# Altium PCB EMDO601_Patch.PcbDoc (part 2 of 3) (continued)
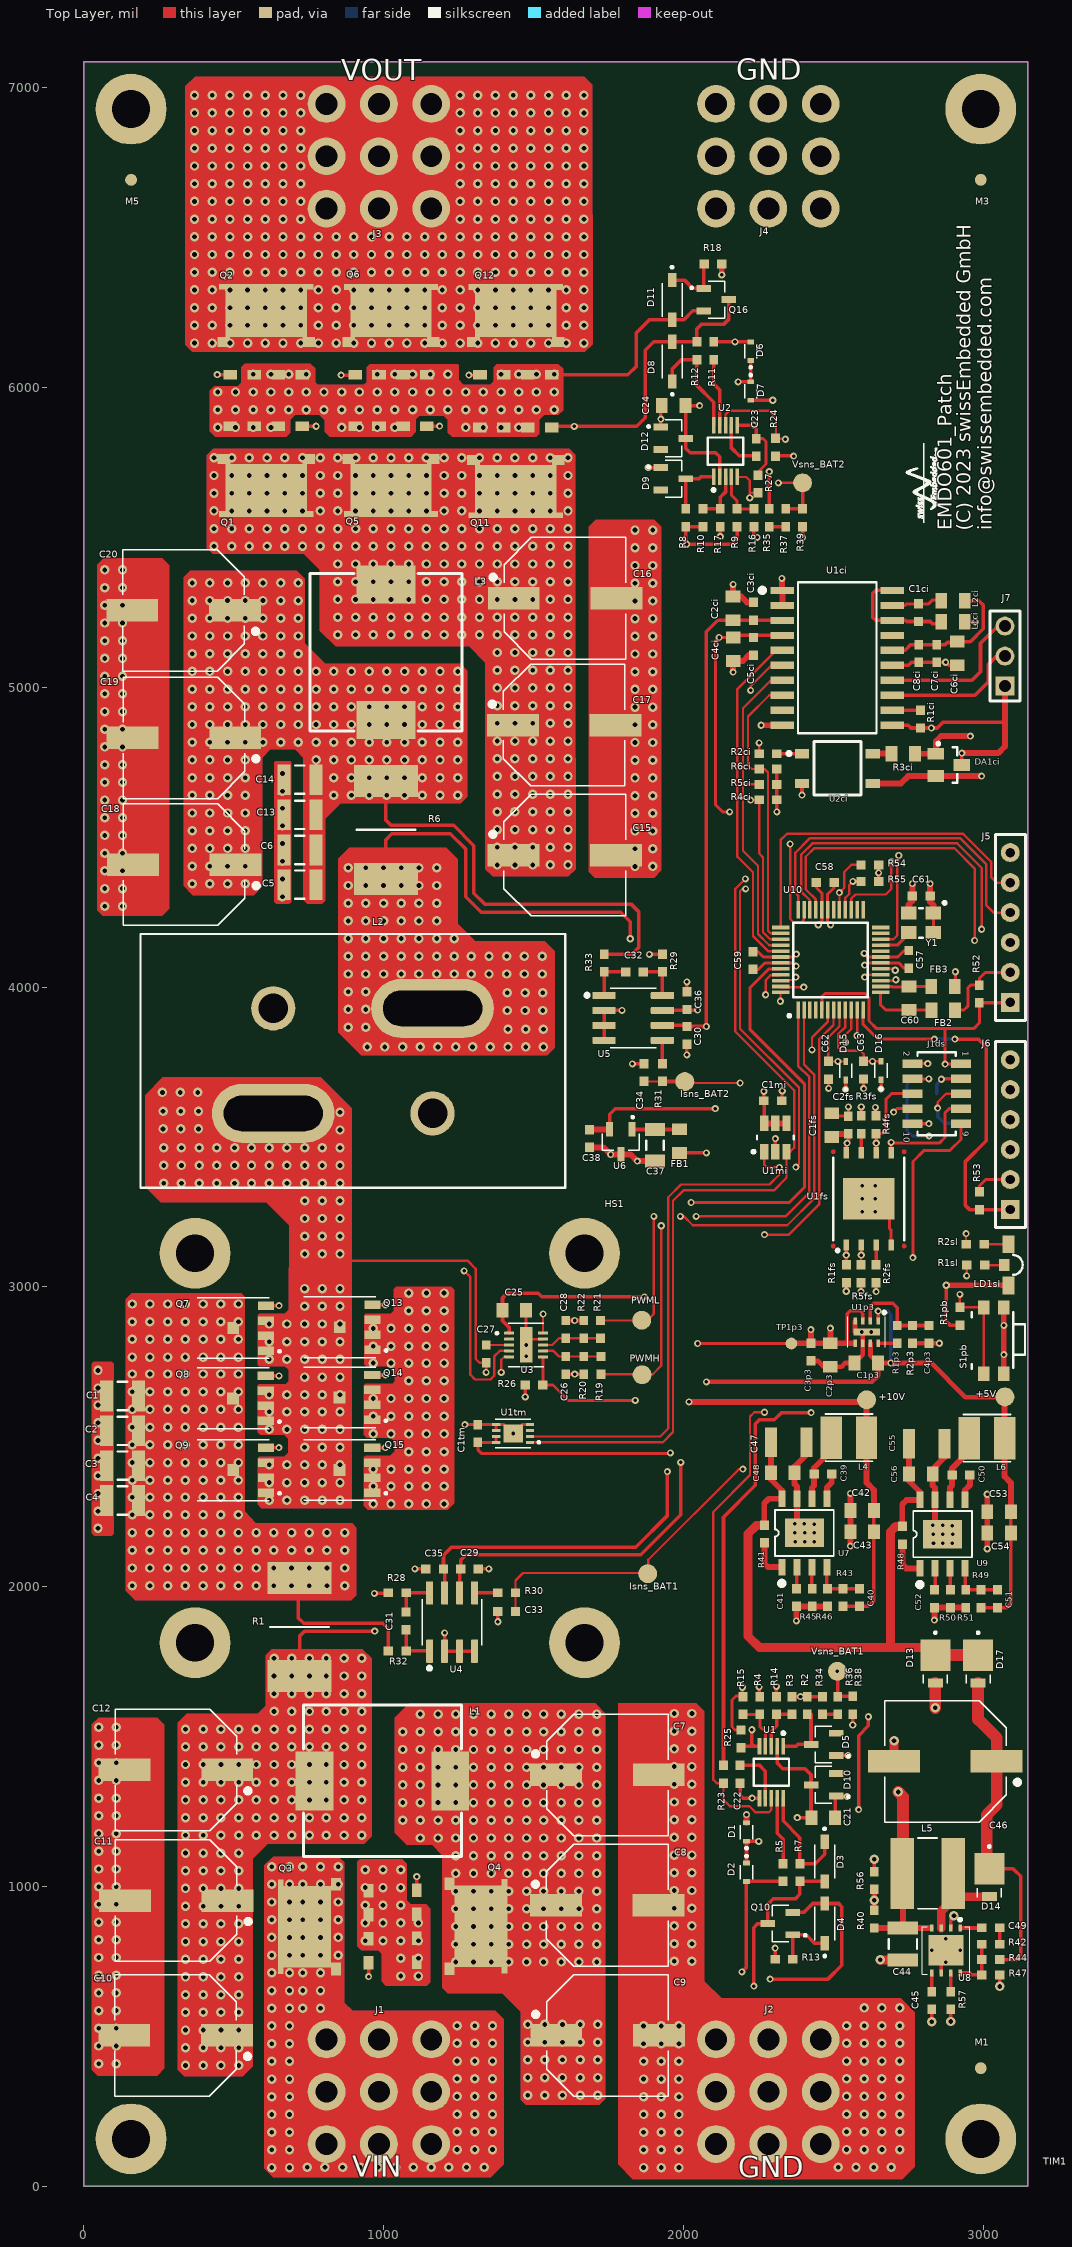
[diagram p0: Top Layer view]
## Nets (pads, with @x,y where several pads share a name; then routed paths per layer and width w, separated by ;. In a path a pad name is that pad's centre, name@x,y a point inside that pad or via, vN(x,y) a via of type N, cw(c..) or ccw(c..) an arc to the next point about the centre after c; other vN are vias at no path point) (continued)
  Top Layer w7.87: U10.38@2324.29,4179.13 2291.59,4179.13 2282.48,4188.24 2282.48,4476.38 2282.48,4715.55 2270.67,4727.36 R6ci.1@2252.95,4727.36 2228.35,4727.36 2215.55,4740.16 2215.55,4902.56 2286.61,4973.62 U1ci.8@2330.22,4973.62
CAN_TERM: R2ci.1 U10.35 | length 802.2
  Top Layer w7.87: R2ci.1@2252.95,4778.54 v2(2252.95,4814.96) ; v2(2356.3,4477.36) 2356.3,4227.36 2367.13,4216.54 2393.65,4216.54 2402.56,4225.44 U10.35@2402.56,4257.4
  Mid-Layer 2 w7.87: v2(2252.95,4814.96) 2252.95,4497.05 2272.64,4477.36 v2(2356.3,4477.36)
CAN_TX: R5ci.1 U1ci.7 U10.40 | length 1089.8
  Top Layer w7.87: 2197.83,4676.18 2198.82,4676.18 ; R5ci.1@2252.95,4676.18 2198.82,4676.18 ; U10.40@2324.29,4139.76 2286.42,4139.76 2249.02,4177.17 2249.02,4404.53 2198.82,4454.72 2198.82,4676.18 ; U1ci.7@2330.22,5023.62 2292.32,5023.62 2198.82,4930.12 2198.82,4676.18
CANH: DA1ci.1 J7.3 R3ci.2 U1ci.14 | length 1182.7
  Top Layer w11.81: U1ci.14@2696.36,5023.62 2962.6,5023.62 2991.14,5052.17 2991.14,5146.65 3048.82,5204.33 J7.3@3072.83,5204.33
  Top Layer w19.68: R3ci.2@2772.64,4778.54 DA1ci.1@2842.52,4778.54 2842.52,4820.87 2859.25,4837.6 v2(2957.68,4837.6)
  Mid-Layer 2 w19.68: v2(2957.68,4837.6) 2957.68,5135.83 3026.18,5204.33 J7.3@3072.83,5204.33
CANL: DA1ci.2 J7.2 U1ci.13 U2ci.3 | length 1291.6
  Top Layer w11.81: U1ci.13@2696.36,4973.62 2972.64,4973.62 3017.72,5018.7 3017.72,5076.77 3045.28,5104.33 J7.2@3072.83,5104.33
  Top Layer w19.68: U2ci.3@2631.89,4679.13 2725.39,4679.13 2750,4703.74 DA1ci.2@2842.52,4703.74 v2(2995.08,4703.74)
  Mid-Layer 2 w19.68: v2(2995.08,4703.74) 2995.08,5062.01 3037.4,5104.33 J7.2@3072.83,5104.33
GND: C1.2 C1fs.1 C1mi.1 C1p3.1 C1tm.1 C2.2 C2ci.1 C2fs.1 C2p3.1 C3.2 C3ci.1 C3p3.1 C4.2 C4ci.1 C4p3.1 C5.2 C5ci.1 C6.2 C7.2 C8.2 C9.2 C10.2 C11.2 C12.2 C13.2 C14.2 C15.2 C16.2 C17.2 C18.2 C19.2 C20.2 C21.1 C22.1 C23.1 C24.1 C25.1 C26.2 C28.2 C29.1 C30.1 C33.1 C34.1 C35.1 C36.1 C37.1 C38.1 C41.1 C42.1 C43.1 C44.1 C45.1 C46.2 C47.1 C48.1 C52.1 C53.1 C54.1 C55.1 C56.1 C57.1 C58.1 C59.1 C61.1 C62.1 C63.1 D5.1 D9.1 D10.1 D12.1 FB3.1 J1ds.3 J1ds.10 J2.1 J4.1 J5.3 J6.3 Q13.S Q14.S Q15.S R2p3.1 R4fs.1 R5fs.1 R13.1 R14.1 R15.1 R16.1 R17.1 R18.1 R20.1 R22.1 R25.1 R26.1 R27.1 R38.2 R39.2 R45.1 R46.1 R47.1 R50.1 R51.1 R56.1 R57.1 S1pb.2 S1pb.4 TP1ds.3 U1.6 U1ci.1 U1ci.2 U1ci.10 U1fs.0 U1fs.4 U1mi.2 U1p3.0 U1p3.4 U1p3.6 U1tm.0 U1tm.4 U1tm.5 U1tm.6 U2.6 U2ci.2 U3.9 U3.11 U4.2 U4.3 U4.4 U5.2 U5.3 U5.4 U6.3 U7.7 U7.9 U8.6 U8.9 U9.7 U9.9 U10.19 U10.31 U10.42 Y1.2 | length 6355.7
  Top Layer w7.87: v2(1475.39,2806.1) 1495.08,2825.79 U3.9@1531.89,2825.79
  Top Layer w10: v2(1270.91,2540.36) C1tm.1@1314.22,2540.36 U1tm.5@1375.44,2540.36 ; U1tm.6@1375.44,2520.67 U1tm.5@1375.44,2540.36 ; 1402.41,2540.36 U1tm.5@1375.44,2540.36 ; 1461.46,2540.36 U1tm.4@1488.43,2540.36 ; v2(1475.39,2806.1) C25.1@1475.39,2922.24 ; R25.1@2191.93,1521.65 2172.24,1521.65 2162.4,1531.5 2162.4,1622.05 2175.2,1634.84 R15.1@2196.85,1634.84 ; C59.1@2232.28,4118.11 2249.02,4118.11 2266.73,4100.39 U10.42@2324.29,4100.39 2367.13,4100.39 v2(2376.97,4110.24) ; C23.1@2243.11,5829.72 2247.05,5829.72 2265.75,5829.72 2275.59,5819.88 2275.59,5745.08 2249.02,5718.5 R27.1@2249.02,5707.68 ; C1mi.1@2327.85,3621.06 2329.72,3622.93 v2(2329.72,3653.54) ; v2(2484.25,3662.4) C62.1@2484.25,3692.91 ; v2(2491.14,4207.68) 2481.3,4217.52 U10.31@2481.3,4257.4 2481.3,4310.5 2502.95,4332.15 C58.1@2502.95,4346.46 ; C1fs.1@2495.08,3569.19 C2fs.1@2550.2,3569.19 v2(2550.2,3600.69) ; v2(2592.52,2984.25) 2592.52,3010.14 2590.55,3012.11 R5fs.1@2592.52,3014.08 ; v2(2601.44,3661.36) C63.1@2601.44,3693.41 ; v2(2603.35,4112.2) 2603.35,4109.25 2612.2,4100.39 U10.19@2657.99,4100.39 2715.55,4100.39 2737.2,4122.05 C57.1@2751.97,4122.05 ; v2(2640.75,3598.43) 2640.75,3572.15 R4fs.1@2642.72,3570.18 ; U1fs.0@2687.99,3232.58 2687.99,3194.19 2693.31,3188.88 U1fs.4@2693.31,3140.06 ; FB3.1@2905.51,4001.97 2907.48,4003.94 v2(2907.48,4051.18)
  Top Layer w11.81: v2(1104.33,2059.05) C35.1@1140.75,2059.05 ; v2(1203.35,1845.47) U4.2@1203.35,1784.65 U4.3@1253.35,1784.65 U4.4@1303.35,1784.65 ; C29.1@1315.94,2059.05 v2(1351.38,2059.05) ; v2(1380.91,1882.87) C33.1@1380.91,1917.32 ; v2(1472.44,2632.87) R26.1@1472.44,2672.24 ; C26.2@1607.68,2708.66 v2(1637.7,2708.66) R20.1@1667.72,2708.66 ; C28.2@1607.68,2887.8 R22.1@1667.72,2887.8 ; U5.4@1735.43,3822.05 U5.3@1735.43,3872.05 U5.2@1735.43,3922.05 v2(1795.28,3922.05) ; v2(1829.72,3744.09) 1867.72,3744.09 C34.1@1868.11,3744.49 ; v2(1882.87,5733.27) D9.1@1924.8,5733.27 ; D12.1@1924.8,5868.11 v2(1924.8,5894.69) 1924.8,5936.61 C24.1@1928.15,5939.96 ; v2(2011.81,3773.62) 2011.81,3807.48 2010.83,3808.46 C30.1@2011.81,3809.45 ; C36.1@2011.81,3984.25 v2(2011.81,4017.72) ; v2@2123.03,5499.02 R17.1@2123.03,5536.42 ; U2.6@2180.12,5875 v2(2234.25,5875) 2243.11,5866.14 2243.11,5833.66 2247.05,5829.72 C23.1@2251.97,5824.8 ; C22.1@2188.98,1344.49 2188.98,1304.13 2198.82,1294.29 v2(2229.33,1294.29) U1.6@2253.94,1294.29 ; R15.1@2196.85,1634.84 v2(2196.85,1664.37) ; R16.1@2235.24,5536.42 2235.24,5510.83 v2(2246.06,5500) ; R13.1@2306.1,756.89 v2(2306.1,794.29) ; U1mi.2@2306.79,3450.79 v2(2306.79,3494.68) ; v2(2310.04,1667.32) 2310.04,1633.86 R14.1@2311.02,1632.87 ; v2(2395.67,4640.75) U2ci.2@2395.67,4679.13 ; v2(2397.64,5500) R39.2@2397.64,5536.41 R39.2@2398.37,5535.69 ; C21.1@2505.91,1229.33 2505.91,1297.83 D10.1@2509.25,1301.18 2511.22,1299.21 v2(2546.26,1299.21) ; D5.1@2509.25,1436.02 2510.24,1437.01 v2(2549.21,1437.01) ; v2(2564.97,1538.38) R38.2@2564.97,1575.78 ; R56.1@2636.81,1049.21 v1(2636.81,1090.55) ; J1ds.10@2764.41,3544.44 v2(2819.13,3544.44) ; v1(2828.74,548.23) C45.1@2828.74,589.57 ; U8.6@2860.24,711.61 2860.24,770.67 U8.9@2875.98,786.42 ; v2@2864.6,3694.44 J1ds.3@2925.82,3694.44 ; v1(2891.73,549.21) R57.1@2891.73,589.57 ; v1(3055.12,666.34) R47.1@3055.12,704.72
  Top Layer w15.75: C3p3.1@2425.2,2752.95 2448.82,2752.95 2468.5,2733.27 C2p3.1@2490.16,2733.27 2527.56,2733.27 2540.35,2746.06 C1p3.1@2570.87,2746.06 2598.43,2773.62 U1p3.6@2598.43,2812.01 2598.43,2846.06 v2(2595.08,2849.41) 2572.83,2849.41 U1p3.4@2572.83,2886.81 ; R2p3.1@2764.76,2812.01 C4p3.1@2819.88,2812.01 v2(2854.33,2812.01)
  Top Layer w19.68: C38.1@1687.01,3465.55 1733.27,3465.55 v2(1757.28,3441.54) 1824.21,3441.54 v2(1846.46,3419.29) C37.1@1905.51,3419.29 ; v2(2127.95,6375.98) R18.1@2127.95,6412.4 ; v2(2165.85,5343.5) C2ci.1@2165.85,5302.85 2193.21,5302.85 2212.89,5283.17 C3ci.1@2233.76,5283.17 ; v2(2166.09,5050.94) C4ci.1@2166.09,5087.6 2198.82,5087.6 2218.5,5107.28 C5ci.1@2234.01,5107.28 ; v2(2259.45,4873.62) U1ci.10@2330.22,4873.62 ; v2(2328.74,5363.19) 2328.74,5325.1 U1ci.1@2330.22,5323.62 U1ci.2@2330.22,5273.62 ; v2(2376.8,1886) C41.1@2376.8,1933.92 2376.93,1934.06 R46.1@2481.3,1934.06 ; U7.9@2403.96,2179 2378.96,2204 U7.7@2378.96,2293.17 2378.96,2334.62 2371.06,2342.52 C48.1@2371.06,2379.92 2371.06,2400.59 2410.43,2439.96 C47.1@2410.43,2482.28 ; v2(2557.09,2134.84) C43.1@2557.09,2183.07 C42.1@2557.09,2253.94 v2(2557.09,2311.02) ; Y1.2@2751.46,4246.75 2751.46,4274.88 2763.98,4287.4 C61.1@2763.98,4304.13 v2(2763.98,4345.47) ; v2(2837.43,1887.97) C52.1@2837.43,1929.99 2837.56,1930.12 R51.1@2941.93,1930.12 ; U9.9@2864.59,2175.06 2839.59,2200.06 U9.7@2839.59,2289.24 2839.59,2329.7 2831.69,2337.6 C56.1@2831.69,2375.98 2831.69,2391.73 2871.06,2431.1 C55.1@2871.06,2476.38 ; v2(3013.78,2125.98) C54.1@3013.78,2179.13 C53.1@3013.78,2250 v2(3013.78,2308.07) ; S1pb.4@3068.9,2710.14 v2(3068.9,2774.27) v2(3068.9,2871.71) S1pb.2@3068.9,2930.61
  Top Layer w29.53: v1(2656.5,754.92) C44.1@2732.28,754.92 ; C46.2@2702.76,1417.32 v1(2702.76,1486.22)
  Bottom Layer w11.81: TP1ds.3@2845.11,3644.44 2845.11,3676.92 v2(2860.86,3692.67)
  other v1: 1867.13,62.01 1926.18,62.01 1985.24,62.01 2516.73,62.99 2575.79,62.99 2634.84,62.99 2693.9,62.99 1867.13,121.06 1926.18,121.06 1985.24,121.06 2544.29,122.05 2603.35,122.05 2662.4,122.05 2721.46,122.05 1867.13,180.12 1926.18,180.12 1985.24,180.12 2544.29,181.1 2603.35,181.1 2662.4,181.1 2721.46,181.1 1867.13,239.17 1926.18,239.17 1985.24,239.17 2544.29,240.16 2603.35,240.16 2662.4,240.16 2721.46,240.16 1867.13,298.23 1926.18,298.23 1985.24,298.23 2544.29,299.21 2603.35,299.21 2662.4,299.21 2721.46,299.21 1867.13,357.28 1926.18,357.28 1985.24,357.28 2544.29,358.27 2603.35,358.27 2662.4,358.27 2721.46,358.27 49.21,408.47 108.27,408.47 1867.13,416.34 1926.18,416.34 1985.24,416.34 2544.29,417.32 2603.35,417.32 2662.4,417.32 2721.46,417.32 49.21,467.52 108.27,467.52 1867.13,475.39 1926.18,475.39 1985.24,475.39 2544.29,476.38 2603.35,476.38 2662.4,476.38 2721.46,476.38 49.21,526.58 108.27,526.58 1867.13,534.45 1926.18,534.45 1985.24,534.45 2544.29,535.43 2603.35,535.43 2662.4,535.43 2721.46,535.43 49.21,585.63 108.27,585.63 2603.35,594.49 2662.4,594.49 2721.46,594.49 49.21,644.69 108.27,644.69 49.21,703.74 108.27,703.74 1969.49,750 2028.54,750 49.21,762.8 108.27,762.8 1969.49,809.06 2028.54,809.06 49.21,821.85 108.27,821.85 1969.49,868.11 2028.54,868.11 49.21,880.91 108.27,880.91 1969.49,927.17 2028.54,927.17 49.21,939.96 108.27,939.96 1969.49,986.22 2028.54,986.22 49.21,999.02 108.27,999.02 1969.49,1045.28 2028.54,1045.28 49.21,1058.07 108.27,1058.07 1969.49,1104.33 2028.54,1104.33 49.21,1117.13 108.27,1117.13 1969.49,1163.39 2028.54,1163.39 49.21,1176.18 108.27,1176.18 1969.49,1222.44 2028.54,1222.44 49.21,1235.24 108.27,1235.24 1969.49,1281.5 2028.54,1281.5 49.21,1294.29 108.27,1294.29 1969.49,1340.55 2028.54,1340.55 49.21,1353.35 108.27,1353.35 1969.49,1399.61 2028.54,1399.61 49.21,1412.4 108.27,1412.4 1969.49,1458.66 2028.54,1458.66 49.21,1471.46 108.27,1471.46 1969.49,1517.72 2028.54,1517.72 49.21,1530.51 108.27,1530.51 1969.49,1576.77 2028.54,1576.77 47.24,2194.88 47.25,2251.39 965.54,2275.76 1024.59,2275.76 1083.65,2275.76 1142.71,2275.76 1201.76,2275.76 47.25,2310.45 965.54,2334.81 1024.59,2334.81 1083.65,2334.81 1142.71,2334.81 1201.76,2334.81 47.25,2369.5 965.55,2391.32 1024.6,2391.32 1083.66,2391.32 1142.71,2391.32 1201.77,2391.32 47.25,2428.56 1083.66,2450.38 1142.71,2450.38 1201.77,2450.38 47.25,2487.61 965.55,2509.43 1024.6,2509.43 1083.66,2509.43 1142.71,2509.43 1201.77,2509.43 47.25,2546.67 965.55,2568.49 1024.6,2568.49 1083.66,2568.49 1142.71,2568.49 1201.77,2568.49 47.25,2605.72 965.55,2627.54 1024.6,2627.54 1083.66,2627.54 1142.71,2627.54 1201.77,2627.54 47.26,2662.23 1083.66,2686.6 1142.71,2686.6 1201.77,2686.6 47.26,2721.29 965.55,2745.65 1024.6,2745.65 1083.66,2745.65 1142.71,2745.65 1201.77,2745.65 965.55,2802.17 1024.61,2802.17 1083.66,2802.17 1142.72,2802.17 1201.77,2802.17 965.55,2861.22 1024.61,2861.22 1083.66,2861.22 1142.72,2861.22 1201.77,2861.22 1083.66,2920.28 1142.72,2920.28 1201.77,2920.28 1083.66,2979.33 1142.72,2979.33 1201.77,2979.33 69.88,4269.69 128.94,4269.69 662.41,4301.59 69.88,4328.74 128.94,4328.74 662.41,4360.64 69.88,4387.8 128.94,4387.8 1838.58,4402.56 1897.64,4402.56 662.41,4419.7 69.88,4446.85 128.94,4446.85 1838.58,4461.61 1897.64,4461.61 662.41,4478.76 69.88,4505.91 128.94,4505.91 1838.58,4520.67 1897.64,4520.67 662.41,4537.81 69.88,4564.96 128.94,4564.96 1838.58,4579.72 1897.64,4579.72 662.41,4596.87 69.88,4624.02 128.94,4624.02 1838.58,4638.78 1897.64,4638.78 662.41,4653.38 69.88,4683.07 128.94,4683.07 1838.58,4697.83 1897.64,4697.83 662.41,4712.43 69.88,4742.13 128.94,4742.13 1838.58,4756.89 1897.64,4756.89 69.88,4801.18 128.94,4801.18 1838.58,4815.95 1897.64,4815.95 69.88,4860.24 128.94,4860.24 1838.58,4875 1897.64,4875 69.88,4919.29 128.94,4919.29 1838.58,4934.06 1897.64,4934.06 69.88,4978.35 128.94,4978.35 1838.58,4993.11 1897.64,4993.11 69.88,5037.4 128.94,5037.4 1838.58,5052.17 1897.64,5052.17 69.88,5096.46 128.94,5096.46 1838.58,5111.22 1897.64,5111.22 69.88,5155.51 128.94,5155.51 1838.58,5170.28 1897.64,5170.28 69.88,5214.57 128.94,5214.57 1838.58,5229.33 1897.64,5229.33 69.88,5273.62 128.94,5273.62 1838.58,5288.39 1897.64,5288.39 69.88,5332.68 128.94,5332.68 1838.58,5347.44 1897.64,5347.44 69.88,5391.73 128.94,5391.73 1838.58,5406.5 1897.64,5406.5 1838.58,5465.55 1897.64,5465.55 1838.58,5524.61 1897.64,5524.61
  other v2: 2834.47,2144.55 2865.97,2144.55 2897.5,2145.1 2372.86,2149.47 2404.35,2149.47 2435.89,2150.03 2833.49,2174.08 2865.97,2174.08 2898.45,2175.06 2371.87,2179 2404.35,2179 2436.83,2179.99 2897.47,2203.61 2832.5,2204.59 2864.98,2204.59 2435.85,2208.53 2370.89,2209.51 2403.37,2209.51 1431.94,2510.83 1475.39,2768.7 2627.36,2849.41 1637.45,2887.8 2596.65,3250.3 2639.96,3250.3 2596.65,3293.6 2639.96,3293.6 2596.65,3336.91 2639.96,3336.91 2123.03,5502.95
GND_CAN: C6ci.1 C7ci.1 C8ci.1 DA1ci.3 J7.1 L1ci.2 R1ci.1 U1ci.11 U1ci.15 | length 1507.5
  Top Layer w11.81: U1ci.11@2696.36,4873.62 2750.1,4873.62 2759.35,4864.37 R1ci.1@2790.85,4864.37 v2(2827.56,4864.37) 2846.65,4864.37 2866.14,4883.86 3072.83,4883.86 ; U1ci.15@2696.36,5073.62 2750.79,5073.62 2760.83,5083.66 C8ci.1@2785.43,5083.66 C7ci.1@2845.47,5083.66 v2(2875,5083.66) 2884.84,5073.82 C6ci.1@2913.39,5073.82 ; DA1ci.3@2929.13,4741.14 v2(2929.13,4780.51) ; L1ci.2@2938.98,5218.5 v2(2974.41,5218.5)
  Top Layer w19.68: v2(2929.13,4780.51) 3050.2,4780.51 3072.83,4803.15 3072.83,4883.86 J7.1@3072.83,5004.33
  Mid-Layer 2 w11.81: v2(2827.56,4864.37) 2846.65,4864.37 2875,4892.72 v2(2875,5083.66) 2875,5185.04 2908.46,5218.5 v2(2974.41,5218.5)
I2C_SCL: R54.1 U1mi.1 U1tm.2 U10.29 | length 3370.9
  Top Layer w7.87: U1tm.2@1488.43,2500.99 1922.95,2500.99 1949.8,2527.84 1949.8,3299.21 1992.13,3341.54 2287.4,3341.54 2319.98,3374.11 v2(2319.98,3398.62) 2278.64,3398.62 2269.39,3407.87 U1mi.1@2269.39,3450.79 ; v2(2207.78,4327.97) 2198.61,4327.97 2197.83,4328.74 2188.98,4319.88 2188.98,3861.22 2385.53,3664.67 2385.53,3409.84 v2(2375.3,3399.61) ; U10.29@2520.67,4257.4 v2(2520.67,4314.96) 2536.42,4330.71 2536.42,4383.86 2560.28,4407.72 R54.1@2592.52,4407.72
  Mid-Layer 2 w7.87: v2(2207.78,4327.97) 2207.78,4329.83 2212.6,4334.65 2500.98,4334.65 v2(2520.67,4314.96) ; v2@2323.92,3399.61 v2(2375.3,3399.61)
I2C_SDA: R55.1 U1mi.3 U1tm.1 U10.28 | length 3278.2
  Top Layer w7.87: U1tm.1@1488.43,2481.3 1931.11,2481.3 1965.55,2515.75 1965.55,3287.12 2000.28,3321.85 2302.17,3321.85 2344.19,3363.88 U1mi.3@2344.19,3450.79 2356,3450.79 2369.78,3464.57 2369.78,3655.36 2173.23,3851.91 2173.23,4327.76 2189.64,4344.17 v2(2206.69,4361.22) ; U10.28@2540.35,4257.4 2540.35,4297.86 2553.15,4310.66 2553.15,4340.55 v2(2565.2,4352.61) R55.1@2592.52,4352.61
  Mid-Layer 2 w7.87: v2(2206.69,4361.22) 2215.31,4352.61 v2(2565.2,4352.61)
Isns_BAT1: C33.2 Isns_BAT1.1 R30.2 U10.10 | length 2907.1
  Top Layer w7.87: C33.2@1439.96,1917.32 R30.2@1439.96,1979.33 1439.96,2020.67 1464.57,2045.28 Isns_BAT1.1@1882.87,2045.28 ; v2(2198.82,2391.73) 2185.04,2391.73 1882.87,2089.57 1882.87,2049.21 Isns_BAT1.1@1888.78,2043.31 ; v2(2540.35,3815.94) 2542.32,3817.91 2542.32,3842.52 2560.04,3860.24 U10.10@2560.04,3923.7 ; Isns_BAT1.1@1882.87,2045.28 Isns_BAT1.1@1884.84,2043.31 ; Isns_BAT1.1@1882.87,2045.28 Isns_BAT1.1@1880.91,2043.31 Isns_BAT1.1@1884.84,2043.31 ; Isns_BAT1.1@1884.84,2043.31 Isns_BAT1.1@1888.78,2043.31 ; Isns_BAT1.1@1884.84,2043.31 1886.81,2041.34 Isns_BAT1.1@1888.78,2043.31
  Mid-Layer 2 w7.87: v2(2198.82,2391.73) 2198.82,2593.5 2212.71,2607.39 2212.71,3709.77 ; 2212.6,3709.87 2212.6,3761.81 2264.76,3813.98 2538.39,3813.98 v2(2540.35,3815.94)
Isns_BAT1_N: C1.1 C2.1 C3.1 C4.1 Q7.D Q8.D Q9.D R1.2 R32.1 | length 517.5
  Top Layer w11.81: R1.2@714.57,2023.62 714.57,1896.65 733.27,1877.95 997.05,1877.95 1015.75,1859.25 R32.1@1015.75,1785.43
  other v1: 161.41,2003.12 220.46,2003.12 279.52,2003.12 338.57,2003.12 397.63,2003.12 456.68,2003.12 515.74,2003.12 574.79,2003.12 633.85,2003.12 692.9,2003.12 751.96,2003.12 811.01,2003.12 870.07,2003.12 161.41,2062.17 220.46,2062.17 279.52,2062.17 338.57,2062.17 397.63,2062.17 456.68,2062.17 515.74,2062.17 574.79,2062.17 633.85,2062.17 692.9,2062.17 751.96,2062.17 811.01,2062.17 870.07,2062.17 161.41,2121.23 220.46,2121.23 279.52,2121.23 338.57,2121.23 397.63,2121.23 456.68,2121.23 515.74,2121.23 574.79,2121.23 633.85,2121.23 692.9,2121.23 751.96,2121.23 811.01,2121.23 870.07,2121.23 161.41,2180.29 220.46,2180.29 279.52,2180.29 338.57,2180.29 397.63,2180.29 456.68,2180.29 515.74,2180.29 574.79,2180.29 633.85,2180.29 692.9,2180.29 751.96,2180.29 811.01,2180.29 870.07,2180.29 161.41,2239.34 220.46,2239.34 279.52,2239.34 338.57,2239.34 397.63,2239.34 456.68,2239.34 515.74,2239.34 161.41,2298.4 220.46,2298.4 279.52,2298.4 338.57,2298.4 397.63,2298.4 456.68,2298.4 515.74,2298.4 161.41,2354.91 220.47,2354.91 279.52,2354.91 338.58,2354.91 397.63,2354.91 456.69,2354.91 515.74,2354.91 161.41,2413.96 220.47,2413.96 279.52,2413.96 338.58,2413.96 397.63,2413.96 456.69,2413.96 515.74,2413.96 161.41,2473.02 220.47,2473.02 279.52,2473.02 338.58,2473.02 397.63,2473.02 456.69,2473.02 515.74,2473.02 161.41,2532.07 220.47,2532.07 279.52,2532.07 338.58,2532.07 397.63,2532.07 456.69,2532.07 515.74,2532.07 161.41,2591.13 220.47,2591.13 279.52,2591.13 338.58,2591.13 397.63,2591.13 456.69,2591.13 515.74,2591.13 161.41,2650.18 220.47,2650.18 279.52,2650.18 338.58,2650.18 397.63,2650.18 456.69,2650.18 515.74,2650.18 161.41,2709.24 220.47,2709.24 279.52,2709.24 338.58,2709.24 397.63,2709.24 456.69,2709.24 515.74,2709.24 161.42,2765.75 220.47,2765.75 279.53,2765.75 338.58,2765.75 397.64,2765.75 456.69,2765.75 515.75,2765.75 161.42,2824.8 220.47,2824.8 279.53,2824.8 338.58,2824.8 397.64,2824.8 456.69,2824.8 515.75,2824.8 161.42,2883.86 220.47,2883.86 279.53,2883.86 338.58,2883.86 397.64,2883.86 456.69,2883.86 515.75,2883.86 161.42,2942.91 220.47,2942.91 279.53,2942.91 338.58,2942.91 397.64,2942.91 456.69,2942.91 515.75,2942.91
Isns_BAT1_P: C10.1 C11.1 C12.1 L1.2 R1.1 R28.1 | length 560.3
  Top Layer w11.81: R1.1@719.49,1701.77 719.49,1834.65 736.22,1851.38 v2@966.54,1851.38 ; v2(969.49,1977.36) 1013.78,1977.36 R28.1@1015.75,1979.33
  Mid-Layer 2 w11.81: v2(969.49,1977.36) 970.47,1976.38 v2(970.47,1851.38)
  other v1: 339.16,402.57 398.21,402.57 457.27,402.57 516.32,402.57 339.16,461.62 398.21,461.62 457.27,461.62 516.32,461.62 339.16,520.68 398.21,520.68 457.27,520.68 516.32,520.68 339.16,579.73 398.21,579.73 457.27,579.73 516.32,579.73 339.16,638.79 398.21,638.79 457.27,638.79 516.32,638.79 339.16,697.84 398.21,697.84 457.27,697.84 516.32,697.84 339.16,756.9 398.21,756.9 457.27,756.9 516.32,756.9 339.16,815.95 398.21,815.95 457.27,815.95 516.32,815.95 339.16,875.01 398.21,875.01 457.27,875.01 516.32,875.01 339.16,934.06 398.21,934.06 457.27,934.06 516.32,934.06 339.16,993.12 398.21,993.12 457.27,993.12 516.32,993.12 339.16,1052.17 398.21,1052.17 457.27,1052.17 516.32,1052.17 339.16,1111.23 398.21,1111.23 457.27,1111.23 516.32,1111.23 339.16,1170.28 398.21,1170.28 457.27,1170.28 516.32,1170.28 575.38,1170.28 634.43,1170.28 693.49,1170.28 752.54,1170.28 809.06,1170.28 868.11,1170.28 927.17,1170.28 339.16,1229.34 398.21,1229.34 457.27,1229.34 516.32,1229.34 575.38,1229.34 634.43,1229.34 693.49,1229.34 752.54,1229.34 809.06,1229.33 868.11,1229.33 927.17,1229.33 339.16,1288.39 398.21,1288.39 457.27,1288.39 516.32,1288.39 575.38,1288.39 634.43,1288.39 693.49,1288.39 752.54,1288.39 809.06,1288.39 868.11,1288.39 927.17,1288.39 339.16,1347.45 398.21,1347.45 457.27,1347.45 516.32,1347.45 575.38,1347.45 634.43,1347.45 693.49,1347.45 752.54,1347.45 809.06,1347.44 868.11,1347.44 927.17,1347.44 339.16,1406.5 398.21,1406.5 457.27,1406.5 516.32,1406.5 575.38,1406.5 634.43,1406.5 693.49,1406.5 752.54,1406.5 809.06,1406.5 868.11,1406.5 927.17,1406.5 339.16,1465.56 398.21,1465.56 457.27,1465.56 516.32,1465.56 575.38,1465.56 634.43,1465.56 693.49,1465.56 752.54,1465.56 809.06,1465.55 868.11,1465.55 927.17,1465.55 339.16,1524.61 398.21,1524.61 457.27,1524.61 516.32,1524.61 575.38,1524.61 634.43,1524.61 693.49,1524.61 752.54,1524.61 809.06,1524.61 868.11,1524.61 927.17,1524.61 634.43,1583.67 693.49,1583.67 752.54,1583.67 809.06,1583.66 868.11,1583.66 927.17,1583.66 634.43,1642.72 693.49,1642.72 752.54,1642.72 809.06,1642.72 868.11,1642.72 927.17,1642.72 634.43,1701.78 693.49,1701.78 752.54,1701.78 809.06,1701.77 868.11,1701.77 927.17,1701.77 634.43,1760.83 693.49,1760.83 752.54,1760.83 809.06,1760.83 868.11,1760.83 927.17,1760.83
Isns_BAT2: C34.2 Isns_BAT2.1 R31.2 U10.11 | length 922.3
  Top Layer w7.87: C34.2@1868.11,3685.04 R31.2@1934.45,3685.04 ; Isns_BAT2.1@2004.92,3685.04 2009.84,3680.12 v2(2188.98,3680.12) ; U10.11@2579.72,3923.7 2579.72,3842.52 v2@2585.63,3836.61
  Top Layer w11.81: R31.2@1934.45,3685.04 Isns_BAT2.1@2004.92,3685.04
  Mid-Layer 2 w7.87: v2(2188.98,3680.12) 2188.98,3765.75 2262.8,3839.57 v2@2582.68,3839.57
  other v2: 2578.74,3837.6
Isns_BAT2_N: C5.1 C6.1 C13.1 C14.1 C18.1 C19.1 C20.1 L3.1 R6.2 R33.1 | length 1437.5
  Top Layer w11.81: R6.2@1007.87,4687.99 1007.87,4556.1 1024.61,4539.37 1233.7,4539.37 1301.18,4471.89 1301.18,4312.99 1337.13,4277.05 1825.32,4277.05 1850.39,4251.97 1850.39,4130.91 1829.13,4109.65 R33.1@1736.22,4109.65
  other v1: 361.22,4344.49 420.28,4344.49 479.33,4344.49 538.39,4344.49 361.22,4403.54 420.28,4403.54 479.33,4403.54 538.39,4403.54 361.22,4462.6 420.28,4462.6 479.33,4462.6 538.39,4462.6 361.22,4521.65 420.28,4521.65 479.33,4521.65 538.39,4521.65 361.22,4580.71 420.28,4580.71 479.33,4580.71 538.39,4580.71 361.22,4639.76 420.28,4639.76 479.33,4639.76 538.39,4639.76 833.66,4639.76 892.72,4639.76 951.77,4639.76 1010.83,4639.76 1069.88,4639.76 1128.94,4639.76 1187.99,4639.76 1247.05,4639.76 361.22,4698.82 420.28,4698.82 479.33,4698.82 538.39,4698.82 833.66,4698.82 892.72,4698.82 951.77,4698.82 1010.83,4698.82 1069.88,4698.82 1128.94,4698.82 1187.99,4698.82 1247.05,4698.82 361.22,4757.87 420.28,4757.87 479.33,4757.87 538.39,4757.87 774.61,4757.87 833.66,4757.87 892.72,4757.87 951.77,4757.87 1010.83,4757.87 1069.88,4757.87 1128.94,4757.87 1187.99,4757.87 1247.05,4757.87 361.22,4816.93 420.28,4816.93 479.33,4816.93 538.39,4816.93 597.44,4816.93 656.5,4816.93 715.55,4816.93 774.61,4816.93 833.66,4816.93 892.72,4816.93 951.77,4816.93 1010.83,4816.93 1069.88,4816.93 1128.94,4816.93 1187.99,4816.93 1247.05,4816.93 361.22,4875.98 420.28,4875.98 479.33,4875.98 538.39,4875.98 597.44,4875.98 656.5,4875.98 715.55,4875.98 774.61,4875.98 833.66,4875.98 892.72,4875.98 951.77,4875.98 1010.83,4875.98 1069.88,4875.98 1128.94,4875.98 1187.99,4875.98 1247.05,4875.98 361.22,4935.04 420.28,4935.04 479.33,4935.04 538.39,4935.04 597.44,4935.04 656.5,4935.04 715.55,4935.04 774.61,4935.04 833.66,4935.04 892.72,4935.04 951.77,4935.04 1010.83,4935.04 1069.88,4935.04 1128.94,4935.04 1187.99,4935.04 1247.05,4935.04 361.22,4994.09 420.28,4994.09 479.33,4994.09 538.39,4994.09 597.44,4994.09 656.5,4994.09 715.55,4994.09 774.61,4994.09 833.66,4994.09 892.72,4994.09 951.77,4994.09 1010.83,4994.09 1069.88,4994.09 1128.94,4994.09 1187.99,4994.09 1247.05,4994.09 361.22,5053.15 420.28,5053.15 479.33,5053.15 538.39,5053.15 597.44,5053.15 656.5,5053.15 715.55,5053.15 774.61,5053.15 833.66,5053.15 892.72,5053.15 951.77,5053.15 1010.83,5053.15 1069.88,5053.15 1128.94,5053.15 1187.99,5053.15 1247.05,5053.15 361.22,5112.2 420.28,5112.2 479.33,5112.2 538.39,5112.2 597.44,5112.2 656.5,5112.2 715.55,5112.2 361.22,5171.26 420.28,5171.26 479.33,5171.26 538.39,5171.26 597.44,5171.26 656.5,5171.26 715.55,5171.26 361.22,5230.31 420.28,5230.31 479.33,5230.31 538.39,5230.31 597.44,5230.31 656.5,5230.31 715.55,5230.31 361.22,5289.37 420.28,5289.37 479.33,5289.37 538.39,5289.37 597.44,5289.37 656.5,5289.37 715.55,5289.37 361.22,5348.43 420.28,5348.43 479.33,5348.43 538.39,5348.43 597.44,5348.43 656.5,5348.43 715.55,5348.43
Isns_BAT2_P: L2.2 R6.1 R29.1 | length 1374.9
  Top Layer w11.81: R6.1@1007.87,4361.22 1007.87,4492.13 1027.56,4511.81 1222.28,4511.81 1273.62,4460.47 1273.62,4301.58 1325.71,4249.49 1790.87,4249.49 1822.83,4217.52 v2(1822.83,4161.42) ; v2(1886.81,4109.25) 1929.72,4109.25 R29.1@1930.12,4109.65
  Mid-Layer 2 w11.81: v2(1822.83,4161.42) 1822.83,4125.98 1839.57,4109.25 v2(1886.81,4109.25)
  other v1: 945.07,3800.29 1004.13,3800.29 1063.18,3800.29 1122.24,3800.29 1181.29,3800.29 1240.35,3800.29 1296.86,3800.29 1355.92,3800.29 1414.97,3800.29 1474.03,3800.29 1533.08,3800.29 1414.97,3859.34 1474.03,3859.34 1533.08,3859.34 881.68,3866.51 940.74,3866.51 1412.8,3921.98 1471.86,3921.98 1530.91,3921.98 881.68,3925.56 940.74,3925.56 1412.8,3981.03 1471.86,3981.03 1530.91,3981.03 881.68,3984.62 940.74,3984.62 881.68,4043.67 940.74,4043.67 999.79,4043.67 1058.85,4043.67 1117.9,4043.67 1176.96,4043.67 1236.01,4043.67 1292.52,4043.67 1351.58,4043.67 1410.63,4043.67 1469.69,4043.67 1528.74,4043.67 881.68,4102.73 940.74,4102.73 999.79,4102.73 1058.85,4102.73 1117.9,4102.73 1176.96,4102.73 1236.01,4102.73 1292.52,4102.72 1351.58,4102.72 1410.63,4102.72 1469.69,4102.72 1528.74,4102.72 881.68,4161.78 940.74,4161.78 999.79,4161.78 1058.85,4161.78 1117.9,4161.78 1176.96,4161.78 1236.01,4161.78 881.68,4220.84 940.74,4220.84 999.79,4220.84 1058.85,4220.84 1117.9,4220.84 1176.96,4220.84 881.68,4279.89 940.74,4279.89 999.79,4279.89 1058.85,4279.89 1117.9,4279.89 1176.96,4279.89 881.68,4338.95 940.74,4338.95 999.79,4338.95 1058.85,4338.95 1117.9,4338.95 1176.96,4338.95 881.68,4398 940.74,4398 999.79,4398 1058.85,4398 1117.9,4398 1176.96,4398
LED_GREEN: R2sl.1 U10.16 | length 1192.3
  Top Layer w7.87: v2(2604.33,4033.46) 2612.2,4041.34 U10.16@2657.99,4041.34 ; v2(2942.91,3177.66) 2942.91,3145.17 2944.88,3143.2 R2sl.1@2944.05,3142.37
  Mid-Layer 2 w7.87: v2(2604.33,4033.46) 2661.42,4033.46 2756.4,3938.48 2756.4,3244.59 2823.33,3177.66 v2@2942.32,3177.66
LED_RED: R1sl.1 U10.15 | length 1265.6
  Top Layer w7.87: U10.15@2657.99,4021.65 v2@2698.82,4021.65 ; v2@2705.91,4028.74 2708.66,4025.98 v2(2708.66,4024.61) ; v2(2944.88,3036.91) 2944.88,3071.35 R1sl.1@2946.02,3072.49
  Mid-Layer 2 w7.87: v2(2708.66,4024.61) 2772.15,3961.12 2772.15,3256.4 2822.83,3205.71 2953.74,3205.71 2970.47,3188.98 2970.47,3062.5 v2(2944.88,3036.91)
MCU_MCLR_N: J1ds.1 J5.1 R52.1 TP1ds.1 U10.5 | length 1090.1
  Top Layer w10: U10.5@2461.61,3923.7 2461.61,3967.52 2472.44,3978.35 2605.31,3978.35 2619.09,3964.57 2619.09,3886.81 2644.69,3861.22 2873.03,3861.22 ; J1ds.1@2925.82,3744.44 2924.49,3743.11 v2(2873.03,3743.11) 2873.03,3861.22 ; R52.1@2987.2,3947.83 2987.2,3879.92 2968.5,3861.22 2873.03,3861.22
  Top Layer w11.81: R52.1@2987.2,3947.83 3081.89,3947.83 J5.1@3082.68,3948.62
  Bottom Layer w11.81: v2(2873.03,3743.11) 2868.98,3743.11 2868.74,3742.86 TP1ds.1@2943.54,3742.86
MCU_PGC: J1ds.5 J5.5 TP1ds.5 U10.37 | length 2379
  Top Layer w7.87: U10.37@2324.29,4198.82 2324.29,4490.63 2345.47,4511.81 2933.07,4511.81 3026.72,4418.16 3026.72,4366.98 3045.08,4348.62 J5.5@3082.68,4348.62 ; v2(2848.07,3596.21) 2848.07,3615.9 2876.61,3644.44 J1ds.5@2925.82,3644.44
  Mid-Layer 2 w10: v2(2848.07,3596.21) 2913.14,3596.21 2950.79,3633.86 2950.79,4101.38 2919.29,4132.87 2919.29,4299.21 2968.7,4348.62 J5.5@3082.68,4348.62
  Bottom Layer w11.81: v2(2848.07,3596.21) 2848.07,3568.27 2870.32,3546.01 TP1ds.5@2943.54,3546.01